# Allegro board 8880F5-0826_3.brd (continued)
## Routing (per net, layer and track width the routed paths; a pad name or vN(x,y) marks a point on that pad's centre or on a via; arc(x,y) is an arc through that point) (continued)
; D112.A16 384.35,393.7 ; D112.A16 382.73,393.7 ; D112.A16 383.54,392.89 ; 393.7,80.47 D106.B6 ; D106.B6 392.89,81.28 ; D106.B6 394.51,81.28 ; D106.B6 393.7,82.09 ; 339.55,76.2 D102.A14 ; D102.A14 341.17,76.2 ; D102.A14 340.36,77.01 ; D102.A14 340.36,75.39 ; D104.B2 309.88,41.45 ; D104.B2 309.88,39.83 ; D104.B2 310.69,40.64 ; D104.B2 309.07,40.64 ; 24.59,81.28 D126.B6 ; D126.B6 26.21,81.28 ; D126.B6 25.4,80.47 ; D126.B6 25.4,82.09 ; 248.92,329.39 CSDPS225.C11 ; CSDPS225.C11 248.11,330.2 ; CSDPS225.C11 248.92,331.01 ; CSDPS225.C11 249.73,330.2 ; D102.A15 343.71,73.66 ; D102.A15 342.9,74.47 ; D102.A15 342.9,72.85 ; D102.A15 342.09,73.66 ; 190.5,57.61 D119.B13 ; D119.B13 189.69,58.42 ; D119.B13 190.5,59.23 ; D119.B13 191.31,58.42 ; 179.63,68.58 D318.B9 ; D318.B9 180.34,67.87 ; D318.B9 180.34,69.29 ; D318.B9 181.05,68.58 ; 265.99,91.44 D321.B14 ; D321.B14 266.7,92.15 ; D321.B14 266.7,90.73 ; D321.B14 267.41,91.44 ; SITE4.G3 330.33,181.81 ; SITE4.G3 329.85,181.33 ; SITE4.G3 330.33,180.85 ; SITE4.G3 330.81,181.33 ; D118.B6 172.72,82.09 ; D118.B6 171.91,81.28 ; D118.B6 173.53,81.28 ; D118.B6 172.72,80.47 ; 96.52,77.93 D130.B5 ; D130.B5 96.52,79.55 ; D130.B5 97.33,78.74 ; D130.B5 95.71,78.74 ; 243.03,13.97 DPS3.A05 ; DPS3.A05 244.65,13.97 ; DPS3.A05 243.84,14.78 ; DPS3.A05 243.84,13.16 ; 395.43,370.84 D111.B11 ; D111.B11 396.24,371.65 ; D111.B11 396.24,370.03 ; D111.B11 397.05,370.84 ; 259.08,329.39 CSDPS225.C7 ; CSDPS225.C7 259.89,330.2 ; CSDPS225.C7 258.27,330.2 ; CSDPS225.C7 259.08,331.01 ; D126.B1 13.51,78.74 ; D126.B1 12.7,77.93 ; D126.B1 11.89,78.74 ; D126.B1 12.7,79.55 ; 245.57,55.88 D123.A6 ; D123.A6 246.38,55.07 ; D123.A6 247.19,55.88 ; D123.A6 246.38,56.69 ; 307.34,32.21 D104.A1 ; D104.A1 307.34,33.83 ; D104.A1 308.15,33.02 ; D104.A1 306.53,33.02 ; D119.B12 188.77,60.96 ; D119.B12 187.96,60.15 ; D119.B12 187.96,61.77 ; D119.B12 187.15,60.96 ; D114.A11 322.58,356.41 ; D114.A11 322.58,354.79 ; D114.A11 323.39,355.6 ; D114.A11 321.77,355.6 ; 406.4,52.53 D107.A11 ; D107.A11 406.4,54.15 ; D107.A11 407.21,53.34 ; D107.A11 405.59,53.34 ; 243.03,73.66 D122.A5 ; D122.A5 243.84,72.85 ; D122.A5 244.65,73.66 ; D122.A5 243.84,74.47 ; 198.12,377.65 D431.B2 ; D431.B2 198.12,379.27 ; D431.B2 197.31,378.46 ; D431.B2 198.93,378.46 ; D119.B11 186.23,58.42 ; D119.B11 185.42,57.61 ; D119.B11 184.61,58.42 ; D119.B11 185.42,59.23 ; 410.67,350.52 D110.B5 ; D110.B5 411.48,351.33 ; D110.B5 412.29,350.52 ; D110.B5 411.48,349.71 ; D322.B10 257.25,71.12 ; D322.B10 255.83,71.12 ; D322.B10 256.54,71.83 ; D322.B10 256.54,70.41 ; 34.75,40.64 D128.B10 ; D128.B10 35.56,41.45 ; D128.B10 36.37,40.64 ; D128.B10 35.56,39.83 ; 111.76,52.53 D131.A11 ; D131.A11 110.95,53.34 ; D131.A11 111.76,54.15 ; D131.A11 112.57,53.34 ; D103.B5 317.5,59.23 ; D103.B5 318.31,58.42 ; D103.B5 317.5,57.61 ; D103.B5 316.69,58.42 ; D321.A11 259.08,84.53 ; D321.A11 259.08,83.11 ; D321.A11 258.37,83.82 ; D321.A11 259.79,83.82 ; 256.54,80.47 D122.B10 ; D122.B10 257.35,81.28 ; D122.B10 255.73,81.28 ; D122.B10 256.54,82.09 ; 331.93,78.74 D102.B11 ; D102.B11 332.74,79.55 ; D102.B11 333.55,78.74 ; D102.B11 332.74,77.93 ; D123.A16 271.78,56.69 ; D123.A16 271.78,55.07 ; D123.A16 272.59,55.88 ; D123.A16 270.97,55.88 ; D131.A6 99.87,55.88 ; D131.A6 99.06,55.07 ; D131.A6 99.06,56.69 ; D131.A6 98.25,55.88 ; D131.B4 93.98,61.77 ; D131.B4 93.98,60.15 ; D131.B4 93.17,60.96 ; D131.B4 94.79,60.96 ; 339.55,40.64 D104.B14 ; D104.B14 340.36,39.83 ; D104.B14 340.36,41.45 ; D104.B14 341.17,40.64 ; D123.A14 267.51,55.88 ; D123.A14 266.7,55.07 ; D123.A14 265.89,55.88 ; D123.A14 266.7,56.69 ; 177.8,55.07 D119.A8 ; D119.A8 177.8,56.69 ; D119.A8 176.99,55.88 ; D119.A8 178.61,55.88 ; D322.A4 241.3,66.75 ; D322.A4 240.59,66.04 ; D322.A4 241.3,65.33 ; D322.A4 242.01,66.04 ; D231.B1 200.66,371.65 ; D231.B1 199.85,370.84 ; D231.B1 201.47,370.84 ; D231.B1 200.66,370.03 ; 418.29,40.64 D108.B16 ; D108.B16 419.1,39.83 ; D108.B16 419.1,41.45 ; D108.B16 419.91,40.64 ; D120.B14 193.85,40.64 ; D120.B14 192.23,40.64 ; D120.B14 193.04,41.45 ; D120.B14 193.04,39.83 ; D112.A1 421.64,397.05 ; D112.A1 421.64,395.43 ; D112.A1 422.45,396.24 ; D112.A1 420.83,396.24 ; D130.B13 116.84,79.55 ; D130.B13 117.65,78.74 ; D130.B13 116.03,78.74 ; D130.B13 116.84,77.93 ; 124.46,80.47 D130.B16 ; D130.B16 125.27,81.28 ; D130.B16 123.65,81.28 ; D130.B16 124.46,82.09 ; 332.63,245.95 SITE2.G20 ; SITE2.G20 333.11,246.43 ; SITE2.G20 332.63,246.91 ; SITE2.G20 332.15,246.43 ; SITE1.G6 253.33,241.81 ; SITE1.G6 253.33,240.85 ; SITE1.G6 252.85,241.33 ; SITE1.G6 253.81,241.33 ; D119.A11 186.23,53.34 ; D119.A11 185.42,54.15 ; D119.A11 185.42,52.53 ; D119.A11 184.61,53.34 ; 237.95,73.66 D122.A3 ; D122.A3 239.57,73.66 ; D122.A3 238.76,72.85 ; D122.A3 238.76,74.47 ; 387.81,347.98 D110.B14 ; D110.B14 389.43,347.98 ; D110.B14 388.62,347.17 ; D110.B14 388.62,348.79 ; 388.62,372.57 D111.A14 ; D111.A14 389.43,373.38 ; D111.A14 388.62,374.19 ; D111.A14 387.81,373.38 ; 170.18,67.87 D318.B5 ; D318.B5 170.89,68.58 ; D318.B5 169.47,68.58 ; D318.B5 170.18,69.29 ; D129.B2 88.9,102.41 ; D129.B2 88.09,101.6 ; D129.B2 88.9,100.79 ; D129.B2 89.71,101.6 ; 164.29,58.42 D119.B3 ; D119.B3 165.1,57.61 ; D119.B3 165.91,58.42 ; D119.B3 165.1,59.23 ; 396.24,390.35 D112.B11 ; D112.B11 397.05,391.16 ; D112.B11 396.24,391.97 ; D112.B11 395.43,391.16 ; D132.A2 89.71,35.56 ; D132.A2 88.09,35.56 ; D132.A2 88.9,36.37 ; D132.A2 88.9,34.75 ; 332.63,182.35 SITE4.G16 ; SITE4.G16 333.11,182.83 ; SITE4.G16 332.63,183.31 ; SITE4.G16 332.15,182.83 ; D106.B2 383.54,82.09 ; D106.B2 383.54,80.47 ; D106.B2 384.35,81.28 ; D106.B2 382.73,81.28 ; 160.02,67.87 D318.B1 ; D318.B1 160.73,68.58 ; D318.B1 160.02,69.29 ; D318.B1 159.31,68.58 ; 419.1,85.65 D305.A16 ; D305.A16 419.81,86.36 ; D305.A16 418.39,86.36 ; D305.A16 419.1,87.07 ; 392.99,71.12 D306.B6 ; D306.B6 393.7,71.83 ; D306.B6 394.41,71.12 ; D306.B6 393.7,70.41 ; 334.47,393.7 D116.A6 ; D116.A6 335.28,394.51 ; D116.A6 335.28,392.89 ; D116.A6 336.09,393.7 ; D122.A8 252.27,76.2 ; D122.A8 251.46,75.39 ; D122.A8 251.46,77.01 ; D122.A8 250.65,76.2 ; SITE2.G15 331.43,243.31 ; SITE2.G15 331.91,242.83 ; SITE2.G15 331.43,242.35 ; SITE2.G15 330.95,242.83 ; 385.37,68.58 D306.B3 ; D306.B3 386.08,67.87 ; D306.B3 386.08,69.29 ; D306.B3 386.79,68.58 ; D115.B2 346.25,368.3 ; D115.B2 345.44,369.11 ; D115.B2 344.63,368.3 ; D115.B2 345.44,367.49 ; 187.96,382.73 D431.A6 ; D431.A6 188.77,383.54 ; D431.A6 187.15,383.54 ; D431.A6 187.96,384.35 ; 248.85,181.33 SITE3.G2 ; SITE3.G2 249.33,181.81 ; SITE3.G2 249.33,180.85 ; SITE3.G2 249.81,181.33 ; 251.43,182.35 SITE3.G15 ; SITE3.G15 251.43,183.31 ; SITE3.G15 251.91,182.83 ; SITE3.G15 250.95,182.83 ; D231.A8 183.69,373.38 ; D231.A8 182.88,374.19 ; D231.A8 182.88,372.57 ; D231.A8 182.07,373.38 ; D317.A5 170.89,83.82 ; D317.A5 169.47,83.82 ; D317.A5 170.18,84.53 ; D317.A5 170.18,83.11 ; D322.A8 251.46,66.75 ; D322.A8 251.46,65.33 ; D322.A8 252.17,66.04 ; D322.A8 250.75,66.04 ; UNK3U2.4 97.4,176.4 ; UNK3U2.4 98.34,175.46 ; UNK3U2.4 96.46,175.46 ; UNK3U2.4 97.4,174.52 ; D305.B12 409.65,91.44 ; D305.B12 408.23,91.44 ; D305.B12 408.94,92.15 ; D305.B12 408.94,90.73 ; D129.B6 99.87,101.6 ; D129.B6 99.06,100.79 ; D129.B6 98.25,101.6 ; D129.B6 99.06,102.41 ; D306.A10 403.86,66.75 ; D306.A10 404.57,66.04 ; D306.A10 403.86,65.33 ; D306.A10 403.15,66.04 ; 249.85,187.93 SITE3.G9 ; SITE3.G9 250.33,187.45 ; SITE3.G9 250.33,188.41 ; SITE3.G9 250.81,187.93 ; D114.A10 325.93,353.06 ; D114.A10 325.12,352.25 ; D114.A10 324.31,353.06 ; D114.A10 325.12,353.87 ; D318.A5 170.18,64.21 ; D318.A5 170.18,62.79 ; D318.A5 169.47,63.5 ; D318.A5 170.89,63.5 ; 164.29,78.74 D118.B3 ; D118.B3 165.1,79.55 ; D118.B3 165.1,77.93 ; D118.B3 165.91,78.74 ; 241.3,75.39 D122.A4 ; D122.A4 242.11,76.2 ; D122.A4 240.49,76.2 ; D122.A4 241.3,77.01 ; D108.A15 417.37,33.02 ; D108.A15 415.75,33.02 ; D108.A15 416.56,32.21 ; D108.A15 416.56,33.83 ; D109.B3 416.56,331.01 ; D109.B3 417.37,330.2 ; D109.B3 416.56,329.39 ; D109.B3 415.75,330.2 ; D109.A12 394.51,332.74 ; D109.A12 393.7,331.93 ; D109.A12 393.7,333.55 ; D109.A12 392.89,332.74 ; D318.B12 188.67,71.12 ; D318.B12 187.25,71.12 ; D318.B12 187.96,70.41 ; D318.B12 187.96,71.83 ; D125.B4 20.32,102.41 ; D125.B4 19.51,101.6 ; D125.B4 21.13,101.6 ; D125.B4 20.32,100.79 ; 113.49,40.64 D132.B12 ; D132.B12 114.3,39.83 ; D132.B12 115.11,40.64 ; D132.B12 114.3,41.45 ; 382.83,86.36 D305.A2 ; D305.A2 384.25,86.36 ; D305.A2 383.54,85.65 ; D305.A2 383.54,87.07 ; 167.64,331.93 CSDPS229.B14 ; CSDPS229.B14 168.45,332.74 ; CSDPS229.B14 166.83,332.74 ; CSDPS229.B14 167.64,333.55 ; D131.A1 86.36,54.15 ; D131.A1 87.17,53.34 ; D131.A1 85.55,53.34 ; D131.A1 86.36,52.53 ; SITE1.G4 251.81,241.33 ; SITE1.G4 251.33,241.81 ; SITE1.G4 251.33,240.85 ; SITE1.G4 250.85,241.33 ; 314.96,75.39 D102.A4 ; D102.A4 315.77,76.2 ; D102.A4 314.15,76.2 ; D102.A4 314.96,77.01 ; 316.69,335.28 D113.A13 ; D113.A13 317.5,336.09 ; D113.A13 318.31,335.28 ; D113.A13 317.5,334.47 ; D116.B1 347.98,391.97 ; D116.B1 347.98,390.35 ; D116.B1 347.17,391.16 ; D116.B1 348.79,391.16 ; CSDPS429.B10 178.61,342.9 ; CSDPS429.B10 177.8,343.71 ; CSDPS429.B10 177.8,342.09 ; CSDPS429.B10 176.99,342.9 ; D124.B3 238.76,38.91 ; D124.B3 237.95,38.1 ; D124.B3 238.76,37.29 ; D124.B3 239.57,38.1 ; D102.A16 345.44,77.01 ; D102.A16 344.63,76.2 ; D102.A16 346.25,76.2 ; D102.A16 345.44,75.39 ; D111.A12 394.51,373.38 ; D111.A12 392.89,373.38 ; D111.A12 393.7,372.57 ; D111.A12 393.7,374.19 ; 395.43,73.66 D106.A7 ; D106.A7 396.24,72.85 ; D106.A7 396.24,74.47 ; D106.A7 397.05,73.66 ; 172.01,91.44 D317.B6 ; D317.B6 173.43,91.44 ; D317.B6 172.72,90.73 ; D317.B6 172.72,92.15 ; D112.B4 414.02,389.43 ; D112.B4 414.02,387.81 ; D112.B4 414.83,388.62 ; D112.B4 413.21,388.62 ; 198.12,90.73 D317.B16 ; D317.B16 198.12,92.15 ; D317.B16 197.41,91.44 ; D317.B16 198.83,91.44 ; 403.86,85.65 D305.A10 ; D305.A10 403.15,86.36 ; D305.A10 403.86,87.07 ; D305.A10 404.57,86.36 ; D321.B11 259.08,89.61 ; D321.B11 258.37,88.9 ; D321.B11 259.79,88.9 ; D321.B11 259.08,88.19 ; D131.A7 102.41,53.34 ; D131.A7 101.6,52.53 ; D131.A7 100.79,53.34 ; D131.A7 101.6,54.15 ; D302.A7 322.58,64.21 ; D302.A7 322.58,62.79 ; D302.A7 321.87,63.5 ; D302.A7 323.29,63.5 ; 339.55,388.62 D116.B4 ; D116.B4 340.36,389.43 ; D116.B4 340.36,387.81 ; D116.B4 341.17,388.62 ; 34.75,96.52 D125.A10 ; D125.A10 36.37,96.52 ; D125.A10 35.56,95.71 ; D125.A10 35.56,97.33 ; 264.16,72.85 D122.A13 ; D122.A13 264.97,73.66 ; D122.A13 264.16,74.47 ; D122.A13 263.35,73.66 ; 261.62,55.07 D123.A12 ; D123.A12 260.81,55.88 ; D123.A12 261.62,56.69 ; D123.A12 262.43,55.88 ; 256.54,34.75 D124.A10 ; D124.A10 256.54,36.37 ; D124.A10 255.73,35.56 ; D124.A10 257.35,35.56 ; 339.65,91.44 D301.B14 ; D301.B14 340.36,90.73 ; D301.B14 340.36,92.15 ; D301.B14 341.07,91.44 ; D132.B7 101.6,38.91 ; D132.B7 102.41,38.1 ; D132.B7 101.6,37.29 ; D132.B7 100.79,38.1 ; D111.A15 386.89,375.92 ; D111.A15 386.08,376.73 ; D111.A15 385.27,375.92 ; D111.A15 386.08,375.11 ; 233.68,37.29 D124.B1 ; D124.B1 234.49,38.1 ; D124.B1 232.87,38.1 ; D124.B1 233.68,38.91 ; D115.B6 335.28,369.11 ; D115.B6 335.28,367.49 ; D115.B6 334.47,368.3 ; D115.B6 336.09,368.3 ; D129.B1 86.36,99.87 ; D129.B1 85.55,99.06 ; D129.B1 86.36,98.25 ; D129.B1 87.17,99.06 ; D102.B3 312.42,79.55 ; D102.B3 313.23,78.74 ; D102.B3 311.61,78.74 ; D102.B3 312.42,77.93 ; 250.85,247.93 SITE1.G10 ; SITE1.G10 251.81,247.93 ; SITE1.G10 251.33,247.45 ; SITE1.G10 251.33,248.41 ; D108.B13 411.48,38.91 ; D108.B13 411.48,37.29 ; D108.B13 410.67,38.1 ; D108.B13 412.29,38.1 ; D301.B8 325.83,91.44 ; D301.B8 325.12,90.73 ; D301.B8 325.12,92.15 ; D301.B8 324.41,91.44 ; D431.A11 176.07,386.08 ; D431.A11 175.26,385.27 ; D431.A11 175.26,386.89 ; D431.A11 174.45,386.08 ; 332.74,57.61 D103.B11 ; D103.B11 333.55,58.42 ; D103.B11 331.93,58.42 ; D103.B11 332.74,59.23 ; D116.A12 320.04,394.51 ; D116.A12 320.85,393.7 ; D116.A12 319.23,393.7 ; D116.A12 320.04,392.89 ; D431.B15 165.1,381.81 ; D431.B15 165.1,380.19 ; D431.B15 165.91,381 ; D431.B15 164.29,381 ; 309.07,55.88 D103.A2 ; D103.A2 310.69,55.88 ; D103.A2 309.88,56.69 ; D103.A2 309.88,55.07 ; D130.A2 88.9,77.01 ; D130.A2 88.9,75.39 ; D130.A2 88.09,76.2 ; D130.A2 89.71,76.2 ; 386.08,32.21 D108.A3 ; D108.A3 385.27,33.02 ; D108.A3 386.08,33.83 ; D108.A3 386.89,33.02 ; D113.A12 320.04,333.55 ; D113.A12 320.04,331.93 ; D113.A12 319.23,332.74 ; D113.A12 320.85,332.74 ; 45.72,75.39 D126.A14 ; D126.A14 44.91,76.2 ; D126.A14 45.72,77.01 ; D126.A14 46.53,76.2 ; 240.59,71.12 D322.B4 ; D322.B4 242.01,71.12 ; D322.B4 241.3,70.41 ; D322.B4 241.3,71.83 ; 329.39,368.3 D115.B8 ; D115.B8 330.2,369.11 ; D115.B8 330.2,367.49 ; D115.B8 331.01,368.3 ; D231.B16 162.56,369.11 ; D231.B16 161.75,368.3 ; D231.B16 163.37,368.3 ; D231.B16 162.56,367.49 ; 121.11,93.98 D129.A15 ; D129.A15 121.92,93.17 ; D129.A15 121.92,94.79 ; D129.A15 122.73,93.98 ; D124.B16 272.59,40.64 ; D124.B16 271.78,39.83 ; D124.B16 271.78,41.45 ; D124.B16 270.97,40.64 ; 387.81,388.62 D112.B14 ; D112.B14 388.62,387.81 ; D112.B14 388.62,389.43 ; D112.B14 389.43,388.62 ; 184.71,68.58 D318.B11 ; D318.B11 185.42,69.29 ; D318.B11 185.42,67.87 ; D318.B11 186.13,68.58 ; D127.A10 36.37,55.88 ; D127.A10 34.75,55.88 ; D127.A10 35.56,56.69 ; D127.A10 35.56,55.07 ; 401.32,334.47 D109.A9 ; D109.A9 401.32,336.09 ; D109.A9 400.51,335.28 ; D109.A9 402.13,335.28 ; D108.A13 412.29,33.02 ; D108.A13 411.48,33.83 ; D108.A13 410.67,33.02 ; D108.A13 411.48,32.21 ; 238.05,63.5 D322.A3 ; D322.A3 239.47,63.5 ; D322.A3 238.76,62.79 ; D322.A3 238.76,64.21 ; SITE2.G2 329.81,241.33 ; SITE2.G2 329.33,240.85 ; SITE2.G2 329.33,241.81 ; SITE2.G2 328.85,241.33 ; 190.5,37.29 D120.B13 ; D120.B13 189.69,38.1 ; D120.B13 190.5,38.91 ; D120.B13 191.31,38.1 ; D321.A5 244.55,83.82 ; D321.A5 243.84,84.53 ; D321.A5 243.84,83.11 ; D321.A5 243.13,83.82 ; D110.A10 399.59,353.06 ; D110.A10 398.78,353.87 ; D110.A10 398.78,352.25 ; D110.A10 397.97,353.06 ; 401.32,83.11 D305.A9 ; D305.A9 402.03,83.82 ; D305.A9 400.61,83.82 ; D305.A9 401.32,84.53 ; D107.B13 412.29,58.42 ; D107.B13 411.48,59.23 ; D107.B13 410.67,58.42 ; D107.B13 411.48,57.61 ; 100.79,33.02 D132.A7 ; D132.A7 101.6,32.21 ; D132.A7 101.6,33.83 ; D132.A7 102.41,33.02 ; D431.B10 178.61,378.46 ; D431.B10 177.8,379.27 ; D431.B10 177.8,377.65 ; D431.B10 176.99,378.46 ; D306.B4 389.33,71.12 ; D306.B4 388.62,71.83 ; D306.B4 388.62,70.41 ; D306.B4 387.91,71.12 ; 170.18,375.11 D231.A13 ; D231.A13 170.99,375.92 ; D231.A13 170.18,376.73 ; D231.A13 169.37,375.92 ; 382.73,35.56 D108.A2 ; D108.A2 383.54,36.37 ; D108.A2 384.35,35.56 ; D108.A2 383.54,34.75 ; 164.39,83.82 D317.A3 ; D317.A3 165.1,83.11 ; D317.A3 165.81,83.82 ; D317.A3 165.1,84.53 ; D115.A8 331.01,373.38 ; D115.A8 330.2,374.19 ; D115.A8 329.39,373.38 ; D115.A8 330.2,372.57 ; D317.A10 182.88,87.07 ; D317.A10 182.88,85.65 ; D317.A10 183.59,86.36 ; D317.A10 182.17,86.36 ; D110.A3 416.56,356.41 ; D110.A3 415.75,355.6 ; D110.A3 416.56,354.79 ; D110.A3 417.37,355.6 ; 269.24,52.53 D123.A15 ; D123.A15 270.05,53.34 ; D123.A15 269.24,54.15 ; D123.A15 268.43,53.34 ; D119.A7 175.26,54.15 ; D119.A7 175.26,52.53 ; D119.A7 176.07,53.34 ; D119.A7 174.45,53.34 ; D317.A2 163.27,86.36 ; D317.A2 161.85,86.36 ; D317.A2 162.56,87.07 ; D317.A2 162.56,85.65 ; D118.B11 186.23,78.74 ; D118.B11 185.42,77.93 ; D118.B11 185.42,79.55 ; D118.B11 184.61,78.74 ; D110.B2 419.1,348.79 ; D110.B2 419.91,347.98 ; D110.B2 419.1,347.17 ; D110.B2 418.29,347.98 ; D123.A7 249.73,53.34 ; D123.A7 248.11,53.34 ; D123.A7 248.92,54.15 ; D123.A7 248.92,52.53 ; 339.65,71.12 D302.B14 ; D302.B14 340.36,71.83 ; D302.B14 341.07,71.12 ; D302.B14 340.36,70.41 ; 195.58,83.11 D317.A15 ; D317.A15 195.58,84.53 ; D317.A15 194.87,83.82 ; D317.A15 196.29,83.82 ; 171.91,373.38 D231.A12 ; D231.A12 173.53,373.38 ; D231.A12 172.72,374.19 ; D231.A12 172.72,372.57 ; 32.21,33.02 D128.A9 ; D128.A9 33.02,33.83 ; D128.A9 33.83,33.02 ; D128.A9 33.02,32.21 ; 345.44,39.83 D104.B16 ; D104.B16 346.25,40.64 ; D104.B16 345.44,41.45 ; D104.B16 344.63,40.64 ; SITE4.G10 331.33,188.41 ; SITE4.G10 330.85,187.93 ; SITE4.G10 331.81,187.93 ; SITE4.G10 331.33,187.45 ; 171.91,55.88 D119.A6 ; D119.A6 173.53,55.88 ; D119.A6 172.72,55.07 ; D119.A6 172.72,56.69 ; D132.B10 109.22,41.45 ; D132.B10 109.22,39.83 ; D132.B10 110.03,40.64 ; D132.B10 108.41,40.64 ; D107.A12 408.94,56.69 ; D107.A12 409.75,55.88 ; D107.A12 408.13,55.88 ; D107.A12 408.94,55.07 ; 166.83,373.38 D231.A14 ; D231.A14 167.64,374.19 ; D231.A14 167.64,372.57 ; D231.A14 168.45,373.38 ; 198.12,367.49 D231.B2 ; D231.B2 197.31,368.3 ; D231.B2 198.93,368.3 ; D231.B2 198.12,369.11 ; CSDPS225.C9 254.81,330.2 ; CSDPS225.C9 254,331.01 ; CSDPS225.C9 254,329.39 ; CSDPS225.C9 253.19,330.2 ; 123.65,40.64 D132.B16 ; D132.B16 124.46,41.45 ; D132.B16 125.27,40.64 ; D132.B16 124.46,39.83 ; SITE4.G12 333.81,187.93 ; SITE4.G12 333.33,188.41 ; SITE4.G12 333.33,187.45 ; SITE4.G12 332.85,187.93 ; 325.12,70.41 D302.B8 ; D302.B8 325.12,71.83 ; D302.B8 325.83,71.12 ; D302.B8 324.41,71.12 ; 330.2,326.85 D113.B8 ; D113.B8 331.01,327.66 ; D113.B8 330.2,328.47 ; D113.B8 329.39,327.66 ; 419.1,367.49 D111.B2 ; D111.B2 419.1,369.11 ; D111.B2 419.91,368.3 ; D111.B2 418.29,368.3 ; D118.A11 185.42,74.47 ; D118.A11 185.42,72.85 ; D118.A11 186.23,73.66 ; D118.A11 184.61,73.66 ; D118.B8 177.8,82.09 ; D118.B8 176.99,81.28 ; D118.B8 178.61,81.28 ; D118.B8 177.8,80.47 ; 342.9,77.93 D102.B15 ; D102.B15 343.71,78.74 ; D102.B15 342.9,79.55 ; D102.B15 342.09,78.74 ; D102.B6 320.04,82.09 ; D102.B6 320.85,81.28 ; D102.B6 320.04,80.47 ; D102.B6 319.23,81.28 ; D318.A11 186.13,63.5 ; D318.A11 185.42,62.79 ; D318.A11 184.71,63.5 ; D318.A11 185.42,64.21 ; D127.A6 25.4,56.69 ; D127.A6 24.59,55.88 ; D127.A6 26.21,55.88 ; D127.A6 25.4,55.07 ; 392.89,393.7 D112.A12 ; D112.A12 393.7,394.51 ; D112.A12 394.51,393.7 ; D112.A12 393.7,392.89 ; D112.B1 422.45,391.16 ; D112.B1 421.64,390.35 ; D112.B1 421.64,391.97 ; D112.B1 420.83,391.16 ; D116.B6 335.28,389.43 ; D116.B6 335.28,387.81 ; D116.B6 334.47,388.62 ; D116.B6 336.09,388.62 ; D123.B11 259.89,58.42 ; D123.B11 259.08,57.61 ; D123.B11 258.27,58.42 ; D123.B11 259.08,59.23 ; D128.B1 12.7,38.91 ; D128.B1 13.51,38.1 ; D128.B1 11.89,38.1 ; D128.B1 12.7,37.29 ; 85.55,33.02 D132.A1 ; D132.A1 87.17,33.02 ; D132.A1 86.36,32.21 ; D132.A1 86.36,33.83 ; 269.24,329.39 CSDPS225.C3 ; CSDPS225.C3 268.43,330.2 ; CSDPS225.C3 269.24,331.01 ; CSDPS225.C3 270.05,330.2 ; 406.4,329.39 D109.B7 ; D109.B7 405.59,330.2 ; D109.B7 407.21,330.2 ; D109.B7 406.4,331.01 ; 95.71,73.66 D130.A5 ; D130.A5 96.52,74.47 ; D130.A5 96.52,72.85 ; D130.A5 97.33,73.66 ; D108.B7 397.05,38.1 ; D108.B7 396.24,38.91 ; D108.B7 396.24,37.29 ; D108.B7 395.43,38.1 ; 381,32.21 D108.A1 ; D108.A1 381.81,33.02 ; D108.A1 380.19,33.02 ; D108.A1 381,33.83 ; 340.36,331.93 D113.A4 ; D113.A4 341.17,332.74 ; D113.A4 340.36,333.55 ; D113.A4 339.55,332.74 ; D302.A8 325.83,66.04 ; D302.A8 324.41,66.04 ; D302.A8 325.12,65.33 ; D302.A8 325.12,66.75 ; 335.28,326.85 D113.B6 ; D113.B6 335.28,328.47 ; D113.B6 334.47,327.66 ; D113.B6 336.09,327.66 ; D102.A12 335.28,77.01 ; D102.A12 334.47,76.2 ; D102.A12 336.09,76.2 ; D102.A12 335.28,75.39 ; D104.B10 331.01,40.64 ; D104.B10 329.39,40.64 ; D104.B10 330.2,39.83 ; D104.B10 330.2,41.45 ; 392.99,91.44 D305.B6 ; D305.B6 393.7,92.15 ; D305.B6 393.7,90.73 ; D305.B6 394.41,91.44 ; D115.B15 312.42,371.65 ; D115.B15 311.61,370.84 ; D115.B15 312.42,370.03 ; D115.B15 313.23,370.84 ; 259.08,62.79 D322.A11 ; D322.A11 258.37,63.5 ; D322.A11 259.79,63.5 ; D322.A11 259.08,64.21 ; 405.59,73.66 D106.A11 ; D106.A11 407.21,73.66 ; D106.A11 406.4,72.85 ; D106.A11 406.4,74.47 ; 247.85,247.93 SITE1.G7 ; SITE1.G7 248.33,248.41 ; SITE1.G7 248.81,247.93 ; SITE1.G7 248.33,247.45 ; 27.13,78.74 D126.B7 ; D126.B7 27.94,77.93 ; D126.B7 27.94,79.55 ; D126.B7 28.75,78.74 ; D317.B9 181.05,88.9 ; D317.B9 180.34,88.19 ; D317.B9 179.63,88.9 ; D317.B9 180.34,89.61 ; D301.B12 335.28,92.15 ; D301.B12 335.99,91.44 ; D301.B12 335.28,90.73 ; D301.B12 334.57,91.44 ; 382.73,40.64 D108.B2 ; D108.B2 383.54,41.45 ; D108.B2 383.54,39.83 ; D108.B2 384.35,40.64 ; 190.5,88.19 D317.B13 ; D317.B13 190.5,89.61 ; D317.B13 189.79,88.9 ; D317.B13 191.21,88.9 ; 263.35,330.2 CSDPS225.C5 ; CSDPS225.C5 264.97,330.2 ; CSDPS225.C5 264.16,329.39 ; CSDPS225.C5 264.16,331.01 ; SITE2.G13 329.03,243.31 ; SITE2.G13 328.55,242.83 ; SITE2.G13 329.51,242.83 ; SITE2.G13 329.03,242.35 ; D107.A1 381.81,53.34 ; D107.A1 381,52.53 ; D107.A1 381,54.15 ; D107.A1 380.19,53.34 ; 42.37,58.42 D127.B13 ; D127.B13 43.99,58.42 ; D127.B13 43.18,59.23 ; D127.B13 43.18,57.61 ; D317.B10 182.88,92.15 ; D317.B10 182.88,90.73 ; D317.B10 183.59,91.44 ; D317.B10 182.17,91.44 ; 251.46,331.93 CSDPS225.B10 ; CSDPS225.B10 250.65,332.74 ; CSDPS225.B10 252.27,332.74 ; CSDPS225.B10 251.46,333.55 ; 344.63,353.06 D114.A2 ; D114.A2 346.25,353.06 ; D114.A2 345.44,352.25 ; D114.A2 345.44,353.87 ; 39.83,60.96 D127.B12 ; D127.B12 40.64,60.15 ; D127.B12 40.64,61.77 ; D127.B12 41.45,60.96 ; SITE2.G1 328.81,241.33 ; SITE2.G1 328.33,241.81 ; SITE2.G1 328.33,240.85 ; SITE2.G1 327.85,241.33 ; D122.B11 259.89,78.74 ; D122.B11 259.08,79.55 ; D122.B11 259.08,77.93 ; D122.B11 258.27,78.74 ; 99.06,39.83 D132.B6 ; D132.B6 99.87,40.64 ; D132.B6 98.25,40.64 ; D132.B6 99.06,41.45 ; D322.A16 272.49,66.04 ; D322.A16 271.78,65.33 ; D322.A16 271.78,66.75 ; D322.A16 271.07,66.04 ; D231.A1 200.66,376.73 ; D231.A1 201.47,375.92 ; D231.A1 199.85,375.92 ; D231.A1 200.66,375.11 ; 329.39,81.28 D102.B10 ; D102.B10 331.01,81.28 ; D102.B10 330.2,82.09 ; D102.B10 330.2,80.47 ; D124.A9 254.81,33.02 ; D124.A9 254,33.83 ; D124.A9 254,32.21 ; D124.A9 253.19,33.02 ; D122.A16 271.78,77.01 ; D122.A16 272.59,76.2 ; D122.A16 271.78,75.39 ; D122.A16 270.97,76.2 ; 342.19,63.5 D302.A15 ; D302.A15 342.9,64.21 ; D302.A15 342.9,62.79 ; D302.A15 343.61,63.5 ; 410.67,375.92 D111.A5 ; D111.A5 411.48,375.11 ; D111.A5 412.29,375.92 ; D111.A5 411.48,376.73 ; 331.43,185.95 SITE4.G19 ; SITE4.G19 331.91,186.43 ; SITE4.G19 331.43,186.91 ; SITE4.G19 330.95,186.43 ; D112.A9 401.32,397.05 ; D112.A9 402.13,396.24 ; D112.A9 400.51,396.24 ; D112.A9 401.32,395.43 ; D306.A15 417.27,63.5 ; D306.A15 415.85,63.5 ; D306.A15 416.56,64.21 ; D306.A15 416.56,62.79 ; D231.A2 198.93,373.38 ; D231.A2 197.31,373.38 ; D231.A2 198.12,372.57 ; D231.A2 198.12,374.19 ; 327.66,83.11 D301.A9 ; D301.A9 326.95,83.82 ; D301.A9 328.37,83.82 ; D301.A9 327.66,84.53 ; D103.A11 332.74,54.15 ; D103.A11 333.55,53.34 ; D103.A11 331.93,53.34 ; D103.A11 332.74,52.53 ; D109.B15 386.08,331.01 ; D109.B15 386.08,329.39 ; D109.B15 386.89,330.2 ; D109.B15 385.27,330.2 ; 252.33,240.85 SITE1.G5 ; SITE1.G5 252.33,241.81 ; SITE1.G5 252.81,241.33 ; SITE1.G5 251.85,241.33 ; 172.72,34.75 D120.A6 ; D120.A6 171.91,35.56 ; D120.A6 172.72,36.37 ; D120.A6 173.53,35.56 ; 324.31,35.56 D104.A8 ; D104.A8 325.93,35.56 ; D104.A8 325.12,36.37 ; D104.A8 325.12,34.75 ; 414.02,80.47 D106.B14 ; D106.B14 414.83,81.28 ; D106.B14 414.02,82.09 ; D106.B14 413.21,81.28 ; 398.78,80.47 D106.B8 ; D106.B8 399.59,81.28 ; D106.B8 398.78,82.09 ; D106.B8 397.97,81.28 ; D118.B2 163.37,81.28 ; D118.B2 162.56,82.09 ; D118.B2 161.75,81.28 ; D118.B2 162.56,80.47 ; 180.34,72.85 D118.A9 ; D118.A9 180.34,74.47 ; D118.A9 179.53,73.66 ; D118.A9 181.15,73.66 ; 182.07,332.74 CSDPS229.B8 ; CSDPS229.B8 182.88,331.93 ; CSDPS229.B8 182.88,333.55 ; CSDPS229.B8 183.69,332.74 ; 250.23,182.35 SITE3.G14 ; SITE3.G14 250.23,183.31 ; SITE3.G14 250.71,182.83 ; SITE3.G14 249.75,182.83 ; D131.A13 117.65,53.34 ; D131.A13 116.84,54.15 ; D131.A13 116.84,52.53 ; D131.A13 116.03,53.34 ; CSDPS425.C7 259.89,340.36 ; CSDPS425.C7 258.27,340.36 ; CSDPS425.C7 259.08,341.17 ; CSDPS425.C7 259.08,339.55 ; 321.87,83.82 D301.A7 ; D301.A7 322.58,83.11 ; D301.A7 323.29,83.82 ; D301.A7 322.58,84.53 ; 406.4,354.79 D110.A7 ; D110.A7 406.4,356.41 ; D110.A7 407.21,355.6 ; D110.A7 405.59,355.6 ; DPS3.C01 233.68,19.86 ; DPS3.C01 234.49,19.05 ; DPS3.C01 232.87,19.05 ; DPS3.C01 233.68,18.24 ; 108.41,76.2 D130.A10 ; D130.A10 110.03,76.2 ; D130.A10 109.22,75.39 ; D130.A10 109.22,77.01 ; 270.97,342.9 CSDPS425.B2 ; CSDPS425.B2 271.78,342.09 ; CSDPS425.B2 271.78,343.71 ; CSDPS425.B2 272.59,342.9 ; D130.A4 94.79,76.2 ; D130.A4 93.98,75.39 ; D130.A4 93.17,76.2 ; D130.A4 93.98,77.01 ; D119.A12 188.77,55.88 ; D119.A12 187.15,55.88 ; D119.A12 187.96,56.69 ; D119.A12 187.96,55.07 ; D113.B7 333.55,330.2 ; D113.B7 331.93,330.2 ; D113.B7 332.74,329.39 ; D113.B7 332.74,331.01 ; 235.41,332.74 CSDPS225.B16 ; CSDPS225.B16 236.22,333.55 ; CSDPS225.B16 237.03,332.74 ; CSDPS225.B16 236.22,331.93 ; D231.A3 195.58,376.73 ; D231.A3 195.58,375.11 ; D231.A3 196.39,375.92 ; D231.A3 194.77,375.92 ; D132.A4 94.79,35.56 ; D132.A4 93.98,34.75 ; D132.A4 93.17,35.56 ; D132.A4 93.98,36.37 ; DPS2.A01 347.98,416.1 ; DPS2.A01 347.17,415.29 ; DPS2.A01 347.98,414.48 ; DPS2.A01 348.79,415.29 ; D115.A2 345.44,374.19 ; D115.A2 344.63,373.38 ; D115.A2 345.44,372.57 ; D115.A2 346.25,373.38 ; D102.A11 333.55,73.66 ; D102.A11 331.93,73.66 ; D102.A11 332.74,72.85 ; D102.A11 332.74,74.47 ; 325.12,326.85 D113.B10 ; D113.B10 325.93,327.66 ; D113.B10 324.31,327.66 ; D113.B10 325.12,328.47 ; D122.B9 254,79.55 ; D122.B9 253.19,78.74 ; D122.B9 254,77.93 ; D122.B9 254.81,78.74 ; D115.B11 322.58,371.65 ; D115.B11 322.58,370.03 ; D115.B11 323.39,370.84 ; D115.B11 321.77,370.84 ; D114.A8 330.2,353.87 ; D114.A8 330.2,352.25 ; D114.A8 331.01,353.06 ; D114.A8 329.39,353.06 ; CSDPS229.B2 198.93,332.74 ; CSDPS229.B2 197.31,332.74 ; CSDPS229.B2 198.12,331.93 ; CSDPS229.B2 198.12,333.55 ; 254,37.29 D124.B9 ; D124.B9 253.19,38.1 ; D124.B9 254.81,38.1 ; D124.B9 254,38.91 ; D123.B10 256.54,61.77 ; D123.B10 257.35,60.96 ; D123.B10 256.54,60.15 ; D123.B10 255.73,60.96 ; D130.A3 92.25,73.66 ; D130.A3 90.63,73.66 ; D130.A3 91.44,72.85 ; D130.A3 91.44,74.47 ; 47.45,93.98 D125.A15 ; D125.A15 48.26,93.17 ; D125.A15 49.07,93.98 ; D125.A15 48.26,94.79 ; 319.23,55.88 D103.A6 ; D103.A6 320.85,55.88 ; D103.A6 320.04,55.07 ; D103.A6 320.04,56.69 ; D109.A1 421.64,336.09 ; D109.A1 422.45,335.28 ; D109.A1 421.64,334.47 ; D109.A1 420.83,335.28 ; D115.B16 310.69,368.3 ; D115.B16 309.88,369.11 ; D115.B16 309.07,368.3 ; D115.B16 309.88,367.49 ; D122.B15 270.05,78.74 ; D122.B15 268.43,78.74 ; D122.B15 269.24,79.55 ; D122.B15 269.24,77.93 ; D113.B3 343.71,330.2 ; D113.B3 342.9,329.39 ; D113.B3 342.9,331.01 ; D113.B3 342.09,330.2 ; 326.85,391.16 D116.B9 ; D116.B9 327.66,390.35 ; D116.B9 327.66,391.97 ; D116.B9 328.47,391.16 ; 413.21,40.64 D108.B14 ; D108.B14 414.02,39.83 ; D108.B14 414.83,40.64 ; D108.B14 414.02,41.45 ; 167.64,75.39 D118.A4 ; D118.A4 168.45,76.2 ; D118.A4 167.64,77.01 ; D118.A4 166.83,76.2 ; 50.8,75.39 D126.A16 ; D126.A16 50.8,77.01 ; D126.A16 49.99,76.2 ; D126.A16 51.61,76.2 ; DPS2.A11 322.58,416.1 ; DPS2.A11 321.77,415.29 ; DPS2.A11 323.39,415.29 ; DPS2.A11 322.58,414.48 ; 86.36,37.29 D132.B1 ; D132.B1 85.55,38.1 ; D132.B1 86.36,38.91 ; D132.B1 87.17,38.1 ; 96.52,52.53 D131.A5 ; D131.A5 95.71,53.34 ; D131.A5 97.33,53.34 ; D131.A5 96.52,54.15 ; D431.B3 196.39,381 ; D431.B3 195.58,380.19 ; D431.B3 194.77,381 ; D431.B3 195.58,381.81 ; 243.03,340.36 CSDPS425.C13 ; CSDPS425.C13 244.65,340.36 ; CSDPS425.C13 243.84,341.17 ; CSDPS425.C13 243.84,339.55 ; 317.5,375.11 D115.A13 ; D115.A13 316.69,375.92 ; D115.A13 317.5,376.73 ; D115.A13 318.31,375.92 ; 25.4,100.79 D125.B6 ; D125.B6 25.4,102.41 ; D125.B6 24.59,101.6 ; D125.B6 26.21,101.6 ; 398.78,75.39 D106.A8 ; D106.A8 398.78,77.01 ; D106.A8 397.97,76.2 ; D106.A8 399.59,76.2 ; D112.A13 391.16,397.05 ; D112.A13 391.97,396.24 ; D112.A13 390.35,396.24 ; D112.A13 391.16,395.43 ; D127.B10 35.56,61.77 ; D127.B10 36.37,60.96 ; D127.B10 35.56,60.15 ; D127.B10 34.75,60.96 ; D112.A2 419.91,393.7 ; D112.A2 418.29,393.7 ; D112.A2 419.1,394.51 ; D112.A2 419.1,392.89 ; D318.A2 163.27,66.04 ; D318.A2 162.56,66.75 ; D318.A2 162.56,65.33 ; D318.A2 161.85,66.04 ; D122.A2 237.03,76.2 ; D122.A2 236.22,77.01 ; D122.A2 235.41,76.2 ; D122.A2 236.22,75.39 ; 110.95,78.74 D130.B11 ; D130.B11 111.76,79.55 ; D130.B11 112.57,78.74 ; D130.B11 111.76,77.93 ; 194.87,88.9 D317.B15 ; D317.B15 195.58,89.61 ; D317.B15 196.29,88.9 ; D317.B15 195.58,88.19 ; 193.04,85.65 D317.A14 ; D317.A14 193.75,86.36 ; D317.A14 192.33,86.36 ; D317.A14 193.04,87.07 ; D130.A1 87.17,73.66 ; D130.A1 86.36,74.47 ; D130.A1 85.55,73.66 ; D130.A1 86.36,72.85 ; 192.33,71.12 D318.B14 ; D318.B14 193.04,70.41 ; D318.B14 193.04,71.83 ; D318.B14 193.75,71.12 ; 32.21,78.74 D126.B9 ; D126.B9 33.83,78.74 ; D126.B9 33.02,77.93 ; D126.B9 33.02,79.55 ; D103.B1 308.15,58.42 ; D103.B1 307.34,59.23 ; D103.B1 306.53,58.42 ; D103.B1 307.34,57.61 ; D126.A5 23.67,73.66 ; D126.A5 22.05,73.66 ; D126.A5 22.86,74.47 ; D126.A5 22.86,72.85 ; 49.99,35.56 D128.A16 ; D128.A16 50.8,34.75 ; D128.A16 50.8,36.37 ; D128.A16 51.61,35.56 ; 383.54,326.85 D109.B16 ; D109.B16 384.35,327.66 ; D109.B16 383.54,328.47 ; D109.B16 382.73,327.66 ; D118.A3 165.91,73.66 ; D118.A3 165.1,72.85 ; D118.A3 165.1,74.47 ; D118.A3 164.29,73.66 ; D111.A10 398.78,374.19 ; D111.A10 399.59,373.38 ; D111.A10 398.78,372.57 ; D111.A10 397.97,373.38 ; D129.A8 104.95,96.52 ; D129.A8 104.14,95.71 ; D129.A8 103.33,96.52 ; D129.A8 104.14,97.33 ; 164.29,38.1 D120.B3 ; D120.B3 165.91,38.1 ; D120.B3 165.1,38.91 ; D120.B3 165.1,37.29 ; D102.B12 335.28,82.09 ; D102.B12 336.09,81.28 ; D102.B12 334.47,81.28 ; D102.B12 335.28,80.47 ; 243.84,329.39 CSDPS225.C13 ; CSDPS225.C13 243.84,331.01 ; CSDPS225.C13 244.65,330.2 ; CSDPS225.C13 243.03,330.2 ; D132.A10 109.22,36.37 ; D132.A10 109.22,34.75 ; D132.A10 110.03,35.56 ; D132.A10 108.41,35.56 ; 48.26,57.61 D127.B15 ; D127.B15 47.45,58.42 ; D127.B15 48.26,59.23 ; D127.B15 49.07,58.42 ; 160.02,83.11 D317.A1 ; D317.A1 160.02,84.53 ; D317.A1 160.73,83.82 ; D317.A1 159.31,83.82 ; 406.4,32.21 D108.A11 ; D108.A11 407.21,33.02 ; D108.A11 406.4,33.83 ; D108.A11 405.59,33.02 ; 179.53,33.02 D120.A9 ; D120.A9 180.34,33.83 ; D120.A9 181.15,33.02 ; D120.A9 180.34,32.21 ; 309.88,90.73 D301.B2 ; D301.B2 309.88,92.15 ; D301.B2 310.59,91.44 ; D301.B2 309.17,91.44 ; 414.02,34.75 D108.A14 ; D108.A14 413.21,35.56 ; D108.A14 414.83,35.56 ; D108.A14 414.02,36.37 ; 380.19,58.42 D107.B1 ; D107.B1 381,59.23 ; D107.B1 381.81,58.42 ; D107.B1 381,57.61 ; 240.59,91.44 D321.B4 ; D321.B4 242.01,91.44 ; D321.B4 241.3,90.73 ; D321.B4 241.3,92.15 ; 250.65,40.64 D124.B8 ; D124.B8 252.27,40.64 ; D124.B8 251.46,41.45 ; D124.B8 251.46,39.83 ; 240.49,40.64 D124.B4 ; D124.B4 241.3,39.83 ; D124.B4 241.3,41.45 ; D124.B4 242.11,40.64 ; D130.A8 104.95,76.2 ; D130.A8 104.14,77.01 ; D130.A8 104.14,75.39 ; D130.A8 103.33,76.2 ; 104.14,100.79 D129.B8 ; D129.B8 104.14,102.41 ; D129.B8 103.33,101.6 ; D129.B8 104.95,101.6 ; D305.B2 384.25,91.44 ; D305.B2 383.54,90.73 ; D305.B2 382.83,91.44 ; D305.B2 383.54,92.15 ; D322.B5 243.84,69.29 ; D322.B5 243.84,67.87 ; D322.B5 244.55,68.58 ; D322.B5 243.13,68.58 ; 33.02,57.61 D127.B9 ; D127.B9 32.21,58.42 ; D127.B9 33.83,58.42 ; D127.B9 33.02,59.23 ; D131.B6 99.06,61.77 ; D131.B6 98.25,60.96 ; D131.B6 99.06,60.15 ; D131.B6 99.87,60.96 ; 271.07,91.44 D321.B16 ; D321.B16 271.78,92.15 ; D321.B16 272.49,91.44 ; D321.B16 271.78,90.73 ; D131.B13 116.84,59.23 ; D131.B13 116.84,57.61 ; D131.B13 117.65,58.42 ; D131.B13 116.03,58.42 ; 260.81,342.9 CSDPS425.B6 ; CSDPS425.B6 261.62,343.71 ; CSDPS425.B6 262.43,342.9 ; CSDPS425.B6 261.62,342.09 ; 314.15,332.74 D113.A14 ; D113.A14 315.77,332.74 ; D113.A14 314.96,333.55 ; D113.A14 314.96,331.93 ; 330.33,240.85 SITE2.G3 ; SITE2.G3 330.81,241.33 ; SITE2.G3 329.85,241.33 ; SITE2.G3 330.33,241.81 ; D231.A9 181.15,375.92 ; D231.A9 179.53,375.92 ; D231.A9 180.34,375.11 ; D231.A9 180.34,376.73 ; D102.A6 320.04,77.01 ; D102.A6 320.85,76.2 ; D102.A6 319.23,76.2 ; D102.A6 320.04,75.39 ; D103.A12 335.28,56.69 ; D103.A12 335.28,55.07 ; D103.A12 336.09,55.88 ; D103.A12 334.47,55.88 ; D109.B10 399.59,327.66 ; D109.B10 398.78,328.47 ; D109.B10 397.97,327.66 ; D109.B10 398.78,326.85 ; D305.A5 391.87,83.82 ; D305.A5 390.45,83.82 ; D305.A5 391.16,83.11 ; D305.A5 391.16,84.53 ; D119.A1 160.02,54.15 ; D119.A1 160.83,53.34 ; D119.A1 159.21,53.34 ; D119.A1 160.02,52.53 ; D110.A1 422.45,355.6 ; D110.A1 421.64,354.79 ; D110.A1 420.83,355.6 ; D110.A1 421.64,356.41 ; D129.A13 117.65,93.98 ; D129.A13 116.03,93.98 ; D129.A13 116.84,93.17 ; D129.A13 116.84,94.79 ; D127.A2 15.24,56.69 ; D127.A2 15.24,55.07 ; D127.A2 14.43,55.88 ; D127.A2 16.05,55.88 ; D103.A16 345.44,56.69 ; D103.A16 346.25,55.88 ; D103.A16 345.44,55.07 ; D103.A16 344.63,55.88 ; D302.B13 337.82,69.29 ; D302.B13 338.53,68.58 ; D302.B13 337.82,67.87 ; D302.B13 337.11,68.58 ; 266.7,34.75 D124.A14 ; D124.A14 266.7,36.37 ; D124.A14 267.51,35.56 ; D124.A14 265.89,35.56 ; U1.4 97.98,205.54 ; U1.4 97.04,204.6 ; U1.4 97.04,206.48 ; U1.4 96.1,205.54 ; 238.76,67.87 D322.B3 ; D322.B3 239.47,68.58 ; D322.B3 238.05,68.58 ; D322.B3 238.76,69.29 ; 111.76,98.25 D129.B11 ; D129.B11 111.76,99.87 ; D129.B11 112.57,99.06 ; D129.B11 110.95,99.06 ; D119.A13 191.31,53.34 ; D119.A13 190.5,54.15 ; D119.A13 189.69,53.34 ; D119.A13 190.5,52.53 ; 251.46,90.73 D321.B8 ; D321.B8 250.75,91.44 ; D321.B8 252.17,91.44 ; D321.B8 251.46,92.15 ; D115.B4 340.36,369.11 ; D115.B4 340.36,367.49 ; D115.B4 339.55,368.3 ; D115.B4 341.17,368.3 ; 166.83,40.64 D120.B4 ; D120.B4 167.64,39.83 ; D120.B4 168.45,40.64 ; D120.B4 167.64,41.45 ; 385.27,53.34 D107.A3 ; D107.A3 386.08,54.15 ; D107.A3 386.89,53.34 ; D107.A3 386.08,52.53 ; 177.8,331.93 CSDPS229.B10 ; CSDPS229.B10 176.99,332.74 ; CSDPS229.B10 177.8,333.55 ; CSDPS229.B10 178.61,332.74 ; 321.77,335.28 D113.A11 ; D113.A11 322.58,336.09 ; D113.A11 323.39,335.28 ; D113.A11 322.58,334.47 ; 48.26,98.25 D125.B15 ; D125.B15 48.26,99.87 ; D125.B15 47.45,99.06 ; D125.B15 49.07,99.06 ; 38.1,52.53 D127.A11 ; D127.A11 38.91,53.34 ; D127.A11 37.29,53.34 ; D127.A11 38.1,54.15 ; 259.08,72.85 D122.A11 ; D122.A11 259.08,74.47 ; D122.A11 258.27,73.66 ; D122.A11 259.89,73.66 ; D116.A15 312.42,397.05 ; D116.A15 311.61,396.24 ; D116.A15 312.42,395.43 ; D116.A15 313.23,396.24 ; 177.09,91.44 D317.B8 ; D317.B8 177.8,92.15 ; D317.B8 177.8,90.73 ; D317.B8 178.51,91.44 ; D103.A14 341.17,55.88 ; D103.A14 339.55,55.88 ; D103.A14 340.36,55.07 ; D103.A14 340.36,56.69 ; 411.48,83.11 D305.A13 ; D305.A13 410.77,83.82 ; D305.A13 411.48,84.53 ; D305.A13 412.19,83.82 ; 335.28,352.25 D114.A6 ; D114.A6 335.28,353.87 ; D114.A6 334.47,353.06 ; D114.A6 336.09,353.06 ; CSDPS429.C3 196.39,340.36 ; CSDPS429.C3 195.58,341.17 ; CSDPS429.C3 194.77,340.36 ; CSDPS429.C3 195.58,339.55 ; 175.26,380.19 D431.B11 ; D431.B11 174.45,381 ; D431.B11 176.07,381 ; D431.B11 175.26,381.81 ; D128.B11 38.91,38.1 ; D128.B11 38.1,37.29 ; D128.B11 38.1,38.91 ; D128.B11 37.29,38.1 ; D104.A14 340.36,36.37 ; D104.A14 341.17,35.56 ; D104.A14 339.55,35.56 ; D104.A14 340.36,34.75 ; D132.B4 93.98,41.45 ; D132.B4 94.79,40.64 ; D132.B4 93.98,39.83 ; D132.B4 93.17,40.64 ; SITE3.G20 252.63,186.91 ; SITE3.G20 253.11,186.43 ; SITE3.G20 252.15,186.43 ; SITE3.G20 252.63,185.95 ; 238.76,329.39 CSDPS225.C15 ; CSDPS225.C15 239.57,330.2 ; CSDPS225.C15 237.95,330.2 ; CSDPS225.C15 238.76,331.01 ; 311.71,83.82 D301.A3 ; D301.A3 313.13,83.82 ; D301.A3 312.42,84.53 ; D301.A3 312.42,83.11 ; 14.43,35.56 D128.A2 ; D128.A2 15.24,34.75 ; D128.A2 16.05,35.56 ; D128.A2 15.24,36.37 ; D318.A8 177.8,66.75 ; D318.A8 177.09,66.04 ; D318.A8 178.51,66.04 ; D318.A8 177.8,65.33 ; D322.B2 236.22,71.83 ; D322.B2 236.93,71.12 ; D322.B2 236.22,70.41 ; D322.B2 235.51,71.12 ; 261.62,65.33 D322.A12 ; D322.A12 260.91,66.04 ; D322.A12 261.62,66.75 ; D322.A12 262.33,66.04 ; 121.92,98.25 D129.B15 ; D129.B15 121.11,99.06 ; D129.B15 121.92,99.87 ; D129.B15 122.73,99.06 ; 339.55,60.96 D103.B14 ; D103.B14 340.36,60.15 ; D103.B14 340.36,61.77 ; D103.B14 341.17,60.96 ; D109.B1 421.64,331.01 ; D109.B1 420.83,330.2 ; D109.B1 422.45,330.2 ; D109.B1 421.64,329.39 ; DPS1.C11 407.21,19.05 ; DPS1.C11 405.59,19.05 ; DPS1.C11 406.4,19.86 ; DPS1.C11 406.4,18.24 ; D128.B9 33.02,38.91 ; D128.B9 32.21,38.1 ; D128.B9 33.02,37.29 ; D128.B9 33.83,38.1 ; 395.43,330.2 D109.B11 ; D109.B11 396.24,331.01 ; D109.B11 396.24,329.39 ; D109.B11 397.05,330.2 ; D108.B3 386.89,38.1 ; D108.B3 386.08,37.29 ; D108.B3 385.27,38.1 ; D108.B3 386.08,38.91 ; D123.A1 234.49,53.34 ; D123.A1 232.87,53.34 ; D123.A1 233.68,52.53 ; D123.A1 233.68,54.15 ; UNK3U1.4 98.23,161.85 ; UNK3U1.4 97.29,162.79 ; UNK3U1.4 97.29,160.91 ; UNK3U1.4 96.35,161.85 ; D108.B8 398.78,41.45 ; D108.B8 399.59,40.64 ; D108.B8 398.78,39.83 ; D108.B8 397.97,40.64 ; 380.19,78.74 D106.B1 ; D106.B1 381.81,78.74 ; D106.B1 381,79.55 ; D106.B1 381,77.93 ; D122.B6 247.19,81.28 ; D122.B6 245.57,81.28 ; D122.B6 246.38,82.09 ; D122.B6 246.38,80.47 ; 419.1,34.75 D108.A16 ; D108.A16 419.91,35.56 ; D108.A16 418.29,35.56 ; D108.A16 419.1,36.37 ; 268.43,33.02 D124.A15 ; D124.A15 269.24,33.83 ; D124.A15 269.24,32.21 ; D124.A15 270.05,33.02 ; D112.A3 417.37,396.24 ; D112.A3 415.75,396.24 ; D112.A3 416.56,395.43 ; D112.A3 416.56,397.05 ; D306.A5 391.16,64.21 ; D306.A5 390.45,63.5 ; D306.A5 391.87,63.5 ; D306.A5 391.16,62.79 ; 33.02,93.17 D125.A9 ; D125.A9 33.83,93.98 ; D125.A9 32.21,93.98 ; D125.A9 33.02,94.79 ; 309.88,347.17 D114.B16 ; D114.B16 309.88,348.79 ; D114.B16 309.07,347.98 ; D114.B16 310.69,347.98 ; 419.1,90.73 D305.B16 ; D305.B16 418.39,91.44 ; D305.B16 419.81,91.44 ; D305.B16 419.1,92.15 ; D122.A10 256.54,77.01 ; D122.A10 257.35,76.2 ; D122.A10 256.54,75.39 ; D122.A10 255.73,76.2 ; 238.76,52.53 D123.A3 ; D123.A3 237.95,53.34 ; D123.A3 239.57,53.34 ; D123.A3 238.76,54.15 ; 408.13,40.64 D108.B12 ; D108.B12 408.94,39.83 ; D108.B12 409.75,40.64 ; D108.B12 408.94,41.45 ; 251.46,60.15 D123.B8 ; D123.B8 251.46,61.77 ; D123.B8 252.27,60.96 ; D123.B8 250.65,60.96 ; 383.54,60.15 D107.B2 ; D107.B2 382.73,60.96 ; D107.B2 384.35,60.96 ; D107.B2 383.54,61.77 ; D102.A7 323.39,73.66 ; D102.A7 322.58,72.85 ; D102.A7 321.77,73.66 ; D102.A7 322.58,74.47 ; 387.81,35.56 D108.A4 ; D108.A4 388.62,34.75 ; D108.A4 388.62,36.37 ; D108.A4 389.43,35.56 ; D125.B1 12.7,99.87 ; D125.B1 13.51,99.06 ; D125.B1 12.7,98.25 ; D125.B1 11.89,99.06 ; SITE4.G9 330.81,187.93 ; SITE4.G9 329.85,187.93 ; SITE4.G9 330.33,188.41 ; SITE4.G9 330.33,187.45 ; D108.B4 388.62,41.45 ; D108.B4 389.43,40.64 ; D108.B4 388.62,39.83 ; D108.B4 387.81,40.64 ; D126.B11 38.1,79.55 ; D126.B11 38.91,78.74 ; D126.B11 38.1,77.93 ; D126.B11 37.29,78.74 ; 164.29,340.36 CSDPS429.C15 ; CSDPS429.C15 165.91,340.36 ; CSDPS429.C15 165.1,339.55 ; CSDPS429.C15 165.1,341.17 ; 251.85,181.33 SITE3.G5 ; SITE3.G5 252.33,180.85 ; SITE3.G5 252.33,181.81 ; SITE3.G5 252.81,181.33 ; 406.4,62.79 D306.A11 ; D306.A11 406.4,64.21 ; D306.A11 405.69,63.5 ; D306.A11 407.11,63.5 ; D113.A3 342.9,336.09 ; D113.A3 342.9,334.47 ; D113.A3 342.09,335.28 ; D113.A3 343.71,335.28 ; 240.49,342.9 CSDPS425.B14 ; CSDPS425.B14 241.3,343.71 ; CSDPS425.B14 241.3,342.09 ; CSDPS425.B14 242.11,342.9 ; D318.B7 175.26,69.29 ; D318.B7 174.55,68.58 ; D318.B7 175.26,67.87 ; D318.B7 175.97,68.58 ; D116.B3 342.9,391.97 ; D116.B3 343.71,391.16 ; D116.B3 342.09,391.16 ; D116.B3 342.9,390.35 ; D126.B8 30.48,82.09 ; D126.B8 31.29,81.28 ; D126.B8 29.67,81.28 ; D126.B8 30.48,80.47 ; 106.68,98.25 D129.B9 ; D129.B9 105.87,99.06 ; D129.B9 106.68,99.87 ; D129.B9 107.49,99.06 ; 401.32,37.29 D108.B9 ; D108.B9 402.13,38.1 ; D108.B9 400.51,38.1 ; D108.B9 401.32,38.91 ; D120.A12 187.96,36.37 ; D120.A12 187.15,35.56 ; D120.A12 187.96,34.75 ; D120.A12 188.77,35.56 ; D129.A5 97.33,93.98 ; D129.A5 96.52,94.79 ; D129.A5 95.71,93.98 ; D129.A5 96.52,93.17 ; 170.18,339.55 CSDPS429.C13 ; CSDPS429.C13 170.18,341.17 ; CSDPS429.C13 169.37,340.36 ; CSDPS429.C13 170.99,340.36 ; 187.15,342.9 CSDPS429.B6 ; CSDPS429.B6 187.96,342.09 ; CSDPS429.B6 187.96,343.71 ; CSDPS429.B6 188.77,342.9 ; 43.18,37.29 D128.B13 ; D128.B13 43.18,38.91 ; D128.B13 42.37,38.1 ; D128.B13 43.99,38.1 ; D431.A12 172.72,384.35 ; D431.A12 171.91,383.54 ; D431.A12 173.53,383.54 ; D431.A12 172.72,382.73 ; 182.88,70.41 D318.B10 ; D318.B10 182.88,71.83 ; D318.B10 183.59,71.12 ; D318.B10 182.17,71.12 ; D109.A3 417.37,335.28 ; D109.A3 415.75,335.28 ; D109.A3 416.56,334.47 ; D109.A3 416.56,336.09 ; 391.16,72.85 D106.A5 ; D106.A5 391.16,74.47 ; D106.A5 391.97,73.66 ; D106.A5 390.35,73.66 ; D231.A4 193.04,374.19 